# Altium PCB UCM PCB R1.PcbDoc (continued)
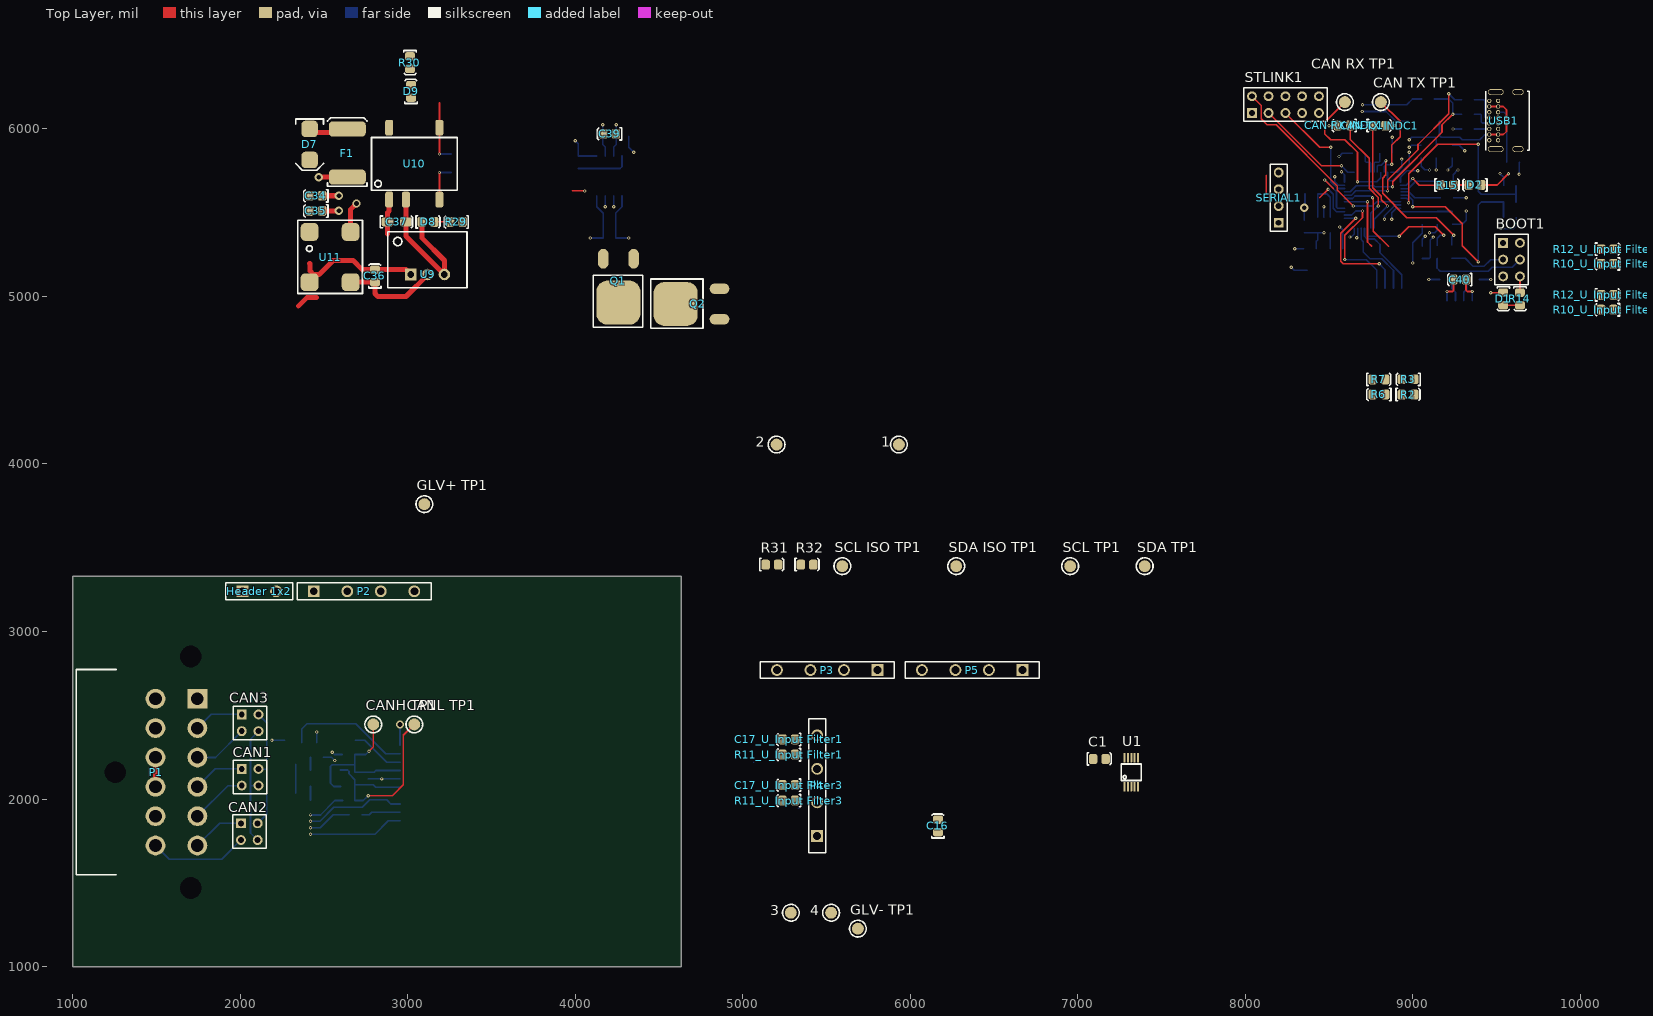
[diagram p0: Top Layer view]
## Footprints (in the part's own frame and the unit in brackets; to place one, negate y for a bottom-side part, rotate by r counter-clockwise, add the part's x,y. Pads: shape width x height; smd on the part's side, far side on the other; paste and mask are expansions set on the pad)
0805 [mil]
  rrect50% 51.18x59.06 smd: 1(-37.87,-1.03) 2(36.93,-1.03)
  silkscreen extent -73,-37 71,37, body extent -39,-26 39,26, height 29
"0805 LED" [mil]
  rrect50% 51.18x59.06 smd: A(-37.87,-1.03) K(36.93,-1.03)
  silkscreen extent -73,-37 71,37, body extent -43,-25 35,25, height 39
1206 [mm]
  rrect50% 1.8x1.4 smd: 1(-2.6,0) 2(0.2,0)
  silkscreen extent -3.7,-0.9 1.2,0.9, body extent -2.9,-0.9 0.5,0.9, height 1.85
2920 [mm]
  rrect50% 2.3x5.6 smd: 1(0,0) 2(7.3,0)
  silkscreen extent -1.4,-3 9,3, body extent -0.34,-2.81 7.64,2.81, height 1.14
"Abracon HC-49/US" [mm]
  rrect50% 5.6x2.1 smd: 1(-4.75,0) 2(4.75,0)
  silkscreen extent -5.85,-2.35 5.85,2.35, body extent -6.35,-2.35 6.35,2.35, height 4.06
"AD 8-SOIC" [mm]
  oval 0.7x1.8 smd: 1(-1.905,-3) 2(-0.635,-3) 3(0.635,-3) 4(1.905,-3) 5(1.905,3) 6(0.635,3) 7(-0.635,3) 8(-1.905,3)
  silkscreen extent -2.87,-2 3.05,2, body extent -2.5,-3.1 2.5,3.1, height 1.76
"AD 16-SOIC" [mil]
  rrect50% 28x85 smd: 1(-225,-192.02)
  oval 28x85 smd: 2(-175,-192.02) 3(-125,-192.02) 4(-75,-192.02) 5(-25,-192.02) 6(25,-192.02) 7(75,-192.02) 8(125,-192.02) 9(125,190) 10(75,189.96) 11(25,189.96) 12(-25,189.96) 13(-75,189.96) 14(-125,189.96) 15(-175,191.98) 16(-225,191.98)
  silkscreen extent -257,-138 155,138, body extent -256,-209 156,209, height 104
"AD SOIC-W 20" [mil]
  rrect50% 28x85 smd: 1(-225,-192.02)
  oval 28x85 smd: 2(-175,-192.02) 3(-125,-192.02) 4(-75,-192.02) 5(-25,-192.02) 6(25,-192.02) 7(75,-192.02) 8(125,-192.02) 9(175,-192.02) 10(225,-192.02) 11(225,192.02) 12(175,191.98) 13(125,191.98) 14(75,191.98) 15(25,191.98) 16(-25,191.98) 17(-75,191.98) 18(-125,191.98) 19(-175,191.98) 20(-225,191.98)
  silkscreen extent -257,-138 256,138, body extent -260,-210 260,210, height 105
DT13-12P [mm]
  round 3 hole 3.3 unplated: 0(-6.405,5.33) 0(11.135,-6.1) 0(28.675,5.33)
  rect 3x3 hole 1.9: 1(0,6.35)
  round 3 hole 1.9: 2(4.45,6.35) 3(8.9,6.35) 4(13.35,6.35) 5(17.8,6.35) 6(22.25,6.35) 7(22.25,0) 8(17.8,0) 9(13.35,0) 10(8.9,0) 11(4.45,0) 12(0,0)
  silkscreen extent -4.45,-12 26.7,-6, body extent -18.6,-34.7 40.6,9.5, height 37.63
"EPSON 2-SMD" [mm]
  rrect50% 1x1.8 smd: 1(-1.25,0) 2(1.25,0)
  silkscreen extent -2,-1.2 2,1.2, body extent -1.5,-1 1.5,1, height 1
"ON SOT-23" [mm] "NUP2105L"
  rrect50% 0.8x0.9 smd: 1(-0.95,-1) 2(0.95,-1) 3(0,1)
  silkscreen extent -1.75,-0.65 1.75,0.75, body extent -1.5,-1.28 1.5,1.27, height 1
"RECOM 3-SIP" [mm] "12 to 42 Vdc In, 9 Vdc Out"
  rect 1.75x1.75 hole 1: 1(0,0)
  round 1.75 hole 1: 2(2.54,0) 3(5.08,0)
  silkscreen extent -3.5,-2 8.5,6.5, body extent -3.26,-2.02 8.34,6.48, height 11.41
"RECOM 8-SMD (5 Pin)" [mm]
  rrect50% 1.2x2.4 smd: 1(-3.81,-5.4) 2(-1.27,-5.4) 4(3.81,-5.4) 5(3.81,5.5) 8(-3.81,5.5)
  silkscreen extent -6.5,-4 6.5,4, body extent -6.37,-5.55 6.38,5.55, height 9.2
"RICHTEK SOT-23-5" [mil]
  rrect50% 19x58 smd: 1(-39.37,-39.37) 2(-1.97,-39.37) 3(35.43,-39.37) 4(35.43,53.63) 5(-39.37,53.63)
  silkscreen extent -69,-31 64,46, body extent -62,-51 58,67, height 57
"SMB Diode" [mm]
  rrect50% 2.5x2.5 smd: A(-0.25,0) K(4.45,0)
  silkscreen extent -1.75,-2.1 6,2.1, body extent -0.69,-1.97 4.9,1.97, height 2.5
"SMD Test Point" [mm]
  round 1.8 smd: 1(0,0)
  silkscreen extent -1.27,-1.27 1.27,1.27
"STM 48-LQFP" [mm]
  rrect50% 0.3x1.2 smd mask+0.05: 1(-2.75,-4.25) 2(-2.25,-4.25) 3(-1.75,-4.25) 4(-1.25,-4.25) 5(-0.75,-4.25) 6(-0.25,-4.25) 7(0.25,-4.25) 8(0.75,-4.25) 9(1.25,-4.25) 10(1.75,-4.25) 11(2.25,-4.25) 12(2.75,-4.25) 25(2.75,4.25) 26(2.25,4.25) 27(1.75,4.25) 28(1.25,4.25) 29(0.75,4.25) 30(0.25,4.25) 31(-0.25,4.25) 32(-0.75,4.25) 33(-1.25,4.25) 34(-1.75,4.25) 35(-2.25,4.25) 36(-2.75,4.25)
  rrect50% 1.2x0.3 smd mask+0.05: 13(4.25,-2.75) 14(4.25,-2.25) 15(4.25,-1.75) 16(4.25,-1.25) 17(4.25,-0.75) 18(4.25,-0.25) 19(4.25,0.25) 20(4.25,0.75) 21(4.25,1.25) 22(4.25,1.75) 23(4.25,2.25) 24(4.25,2.75) 37(-4.25,2.75) 38(-4.25,2.25) 39(-4.25,1.75) 40(-4.25,1.25) 41(-4.25,0.75) 42(-4.25,0.25) 43(-4.25,-0.25) 44(-4.25,-0.75) 45(-4.25,-1.25) 46(-4.25,-1.75) 47(-4.25,-2.25) 48(-4.25,-2.75)
  silkscreen extent -3.5,-3.5 3.5,3.5, body extent -4.6,-4.6 4.6,4.6, height 1.6
"STM TO-252 MOSFET" [mm]
  rrect50% 6.7x6.7 smd: D(2.3,-6.65)
  oval 1.6x3 smd: G(4.6,0) S(0,0)
  silkscreen extent -1.5,-10.4 6,-2.5, body extent -1.08,-9.67 5.64,0.75, height 2.39
"TDK 4-PC Pad" [mm]
  rrect50% 1.35x0.9 smd: 1(0,0) 2(0,-2.5) 3(4.55,-2.5) 4(4.55,0)
  silkscreen extent -1,-3.2 5.5,0.7, body extent -0.02,-2.82 4.48,0.38, height 2.8
"TH 2.54mm Header 1x4" [mm]
  rect 1.5x1.5 hole 0.9: 1(0,0)
  round 1.5 hole 0.9: 2(2.54,0) 3(5.08,0) 4(7.62,0)
  silkscreen extent -1.27,-1.27 8.89,1.27
"TH 2.54mm Header 2x2" [mm]
  rect 1.5x1.5 hole 0.9: 1(0,0)
  round 1.5 hole 0.9: 2(0,2.54) 3(2.54,0) 4(2.54,2.54)
  silkscreen extent -1.27,-1.27 3.81,3.81
"TH 2.54mm Header 2x3" [mm]
  rect 1.5x1.5 hole 0.9: 1(0,0)
  round 1.5 hole 0.9: 2(0,2.54) 3(2.54,0) 4(2.54,2.54) 5(5.08,0) 6(5.08,2.54)
  silkscreen extent -1.27,-1.27 6.35,3.81
"TH 2.54mm Header 2x5" [mm]
  rect 1.5x1.5 hole 0.9: 1(0,0)
  round 1.5 hole 0.9: 2(0,2.54) 3(2.54,0) 4(2.54,2.54) 5(5.08,0) 6(5.08,2.54) 7(7.62,0) 8(7.62,2.54) 9(10.16,0) 10(10.16,2.54)
  silkscreen extent -1.27,-1.27 11.43,3.81
"TH 5.08mm Header 1x2" [mm]
  rect 1.8x1.8 hole 1.2: 1(0,0)
  round 1.8 hole 1.2: 2(5.08,0)
  silkscreen extent -2.54,-1.27 7.62,1.27
"TH 5.08mm Header 1x4" [mm]
  rect 1.8x1.8 hole 1.2: 1(0,0)
  round 1.5 hole 0.9: 2(5.08,0)
  round 1.8 hole 1.2: 2(5.08,0) 3(10.16,0) 4(15.24,0)
  silkscreen extent -2.54,-1.27 17.78,1.27
"TI 8-SOIC" [mm]
  oval 1.2x0.6 smd: 1(-9.677,2.54) 2(-9.677,1.27) 3(-9.677,0) 4(-9.677,-1.27) 5(-4.089,-1.27) 6(-4.089,0) 7(-4.089,1.27) 8(-4.089,2.54)
  silkscreen extent -9,-1.78 -4.75,3.18, body extent -9.96,-1.87 -3.76,3.14, height 1.76
"TI 10-VSSOP" [mm]
  rrect50% 1.45x0.3 smd mask+0.05: 1(-2.2,1) 2(-2.2,0.5) 3(-2.2,0) 4(-2.2,-0.5) 5(-2.2,-1) 6(2.2,-1) 7(2.2,-0.5) 8(2.2,0) 9(2.2,0.5) 10(2.2,1)
  silkscreen extent -1.25,-1.5 1.25,1.5, body extent -2.45,-1.5 2.45,1.5, height 1.12
USB4085-GF-A [mm]
  round 0.65 hole 0.4: A1(-2.848,4.025) A4(-1.998,4.025) A5(-1.148,4.025) A6(-0.298,4.025) A7(0.552,4.025) A8(1.402,4.025) A9(2.252,4.025) A12(3.102,4.025) B1(3.102,2.675) B4(2.252,2.675) B5(1.402,2.675) B6(0.552,2.675) B7(-0.298,2.675) B8(-1.148,2.675) B9(-1.998,2.675) B12(-2.848,2.675)
  oval 0.9x2.4 hole 0.6 slot 2.1 at 90 deg: P1(-4.198,3.045) P2(4.452,3.045)
  oval 0.9x1.7 hole 0.6 slot 1.4 at 90 deg: P3(4.452,-0.335) P4(-4.198,-0.335)
  silkscreen extent -4.35,-2.07 4.6,4.58, body extent -4.39,-4.56 4.64,4.61, height 3.46
"Wurth 4-PC Pad" [mm]
  rrect50% 2.7x2.7 smd: 1(7.62,6.22) 2(0,6.22) 3(0,0) 4(7.62,0)
  silkscreen extent -1.7,-1.8 9.4,8, body extent -1.19,-1.24 8.81,7.46, height 6.2

## Part data
1 2 3 4 "CAN RX TP1" "CAN TX TP1" "CANH TP1" "CANL TP1" "GLV+ TP1" "GLV- TP1" "SCL ISO TP1" "SCL TP1" "SDA ISO TP1" "SDA TP1": library part "SMD Test Point", Angle=0, Contact=NA, Flange=No, Part Number="SMD Test Point", Pitch=0mm, Positions=1, Row Spacing=0
BOOT1: library part "TH 2.54mm Header 2x3", Angle=0, Contact=NA, Flange=No, Part Number="TH 2.54mm Header 2x3", Pitch=2.54mm, Positions=6, Row Spacing=2.54mm
C1 C3 C4 C7 C9 C15 C16 "C17_U_Input Filter1" "C17_U_Input Filter2" "C17_U_Input Filter3" "C17_U_Input Filter4" C18 C22 C25 C26 C27 C31 C32 C39 C40: library part GCM21BR71E104KA37L, Manufacturer=muRata, Rated Voltage=25V, Tolerance=10%, Material=X7R, Part Number=GCM21BR71E104KA37L
C2 C5: library part GCM3195C2A103JA16D, Digikey Part Number=490-4978-2-ND, Manufacturer=muRata, Rated Voltage=100V, Tolerance=5%, Material=Ceramic, Part Number=GCM3195C2A103JA16D
C6 C8 C33 C34 C35 C36: library part GRM21BR6YA106KE43L, Digikey Part Number=490-10514-6-ND, Manufacturer=muRata, Rated Voltage=50V, Tolerance=10%, Material=X5R, Part Number=GRM21BR6YA106KE43L
C10 C19 C20 C29 C30: library part GCM21B5C1H220JA37L, Manufacturer=muRata, Rated Voltage=50V, Tolerance=5%, Material=C0G, Part Number=GCM21B5C1H220JA37L
C11 C12 C13 C14: library part GCM21B5C1H101JA37L, Manufacturer=muRata, Rated Voltage=50V, Tolerance=5%, Material=C0G, Part Number=GCM21B5C1H101JA37L
C21 C23 C24: library part AC0805KKX7R8BB105, Manufacturer=YAGEO, Rated Voltage=25V, Tolerance=10%, Material=X7R, Part Number=AC0805KKX7R8BB105
C28: library part GRM21BR61A226ME51L, Digikey Part Number=490-10511-1-ND, Manufacturer=muRata, Rated Voltage=10V, Tolerance=20%, Material=X5R, Part Number=GRM21BR61A226ME51L
C37 C38: library part CC1206MKX5R7BB226, Digikey Part Number=311-1997-2-ND, Manufacturer=YAGEO, Rated Voltage=16V, Tolerance=20%, Material=Ceramic, Part Number=CC1206MKX5R7BB226
CAN1 CAN2 CAN3: library part "TH 2.54mm Header 2x2", Angle=0, Contact=NA, Flange=No, Part Number="TH 2.54mm Header 2x2", Pitch=2.54mm, Positions=4, Row Spacing=2.54mm
"CAN RX INDC1" "CAN TX INDC1": library part SML-MN2BCTT86C, "LED BLUE CLEAR 2012 SMD", Digikey Part Number=846-1207-1-ND, Manufacturer="ROHM Semiconductor", Colour=Blue, Digikey Link=https://www.digikey.com/product-detail/en/rohm-semiconductor/SMLMN2BCTT86C/846-1207-1-ND/6057239, Part Number=SML-MN2BCTT86C
"CAN TERM R1" "CAN TERM R2": library part RC0805FR0756RL, Digikey Part Number=311-56.0CRCT-ND, Manufacturer=YAGEO, Rated Voltage=0.125W, Tolerance=0.01, Material=FR-07, Part Number=RC0805FR0756RL
D1 D2 D8 D9: library part SML-210LTT86, "Red LED Indication - Discrete 1.75V 0805 (2012 Metric)", Digikey Part Number=511-1286-1-ND, Manufacturer="ROHM Semiconductor", Colour=Red, Digikey Link=https://www.digikey.com/product-detail/en/rohm-semiconductor/SML-210LTT86/511-1286-1-ND/637099, Part Number=SML-210LTT86
D3 D5 D7 D10: "1.2V_F 600V 5A SMB", Digikey Part Number=1655-1530-2-ND, Manufacturer="SMC Diode Solutions", Digikey Link=https://www.digikey.com/product-detail/en/smc-diode-solutions/SD560BTR/1655-1530-2-ND/6022620, Part Number=SD560BTR
D4 D6: library part SML-211DTT86, "Orange LED Indication - Discrete 1.75V 0805 (2012 Metric)", Digikey Part Number=511-1291-1-ND, Manufacturer="ROHM Semiconductor", Colour=Orange, Digikey Link=https://www.digikey.com/product-detail/en/rohm-semiconductor/SML-211DTT86/511-1291-1-ND/637104, Part Number=SML-211DTT86
F1: "PTC RESET FUSE 60V 1A 292", Digikey Part Number=507-2070-1-ND, Manufacturer="Littelfuse Inc.", Digikey Link=https://www.digikey.com/product-detail/en/bel-fuse-inc/0ZCF0100AF2A/507-2070-1-ND/6210547, Part Number=0ZCF0100AF2A
"Header 1x2": library part "TH 5.08mm Header 1x2", Angle=0, Contact=NA, Flange=No, Part Number="TH 5.08mm Header 1x2", Pitch=2.54mm, Positions=2, Row Spacing=5.08mm
P1: Digikey Part Number=1734-1451-ND, Angle=90, Contact=Nickel, Digikey Link=https://www.digikey.com.au/product-detail/en/te-connectivity-deutsch-connectors/DT13-12PA/1734-1451-ND/7220123, Flange=Yes, Part Number=DT13-12P, Pitch=4.44mm, Positions=12, Row Spacing=6.35mm
P2 P3 P4 P5: library part "TH 5.08mm Header 1x4", Angle=0, Contact=NA, Flange=No, Part Number="TH 5.08mm Header 1x4", Pitch=2.54mm, Positions=4, Row Spacing=5.08mm
"PCB NTC1": library part NTCS0805E3103FLT, Digikey Part Number=BC2733CT-ND, Manufacturer="Vishay Beyschlag", Rated Voltage=210mW, Tolerance=0.01, Part Number=NTCS0805E3103FLT
Q1 Q2: "N-Channel 100V 60A (Tc) 125W (Tc) Surface Mount DPAK", Digikey Part Number=497-8806-2-ND, Manufacturer=STMicroelectronics, Digikey Link=https://www.digikey.com/product-detail/en/stmicroelectronics/STD70N10F4/497-8806-2-ND/2035599, LatestRevisionDate=29-May-2009, LatestRevisionNote="IPC-7351 Footprint Added.", PackageDescription="4-Pin SOT-343 Package 1.3 mm Pitch, 2.1 mm Lead Span", PackageReference=SOT-343, PackageVersion=Sep-2000, Part Number=STD70N10F4, Published=24-Mar-1999, Publisher="Altium Limited"
R1: library part RC0805FR070RL, Digikey Part Number=311-0.0CRCT-ND, Manufacturer=YAGEO, Rated Voltage=0.125W, Tolerance=0.01, Material=FR-07, Part Number=RC0805FR070RL
R2 R3 R4 R5 R6 R7 R8 R9 "R10_U_Input Filter1" "R10_U_Input Filter2" "R10_U_Input Filter3" "R10_U_Input Filter4" "R12_U_Input Filter1" "R12_U_Input Filter2" "R12_U_Input Filter3" "R12_U_Input Filter4" R13 R18 R21 R24 R27: library part RC0805FR0710KL, Digikey Part Number=311-10.0KCRCT-ND, Manufacturer=YAGEO, Rated Voltage=0.125W, Tolerance=0.01, Material=FR-07, Part Number=RC0805FR0710KL
"R11_U_Input Filter1" "R11_U_Input Filter2" "R11_U_Input Filter3" "R11_U_Input Filter4": library part RC0805FR071KL, Digikey Part Number=311-1.00KCRCT-ND, Manufacturer=YAGEO, Rated Voltage=0.125W, Tolerance=0.01, Material=FR-07, Part Number=RC0805FR071KL
R14 R15 R30: library part RC0805FR07510RL, Digikey Part Number=311-510CRCT-ND, Manufacturer=YAGEO, Rated Voltage=0.125W, Tolerance=0.01, Material=FR-07, Part Number=RC0805FR07510RL
R16 R17 R29: library part RC0805FR07680RL, Digikey Part Number=311-680CRCT-ND, Manufacturer=YAGEO, Rated Voltage=0.125W, Tolerance=0.01, Material=FR-07, Part Number=RC0805FR07680RL
R19 R20: library part RC0805FR075K1L, Digikey Part Number=311-5.10KCRCT-ND, Manufacturer=YAGEO, Rated Voltage=0.125W, Tolerance=0.01, Material=FR-07, Part Number=RC0805FR075K1L
R22: library part RC0805FR0710ML, Digikey Part Number=311-10.0MCRCT-ND, Manufacturer=YAGEO, Rated Voltage=0.125W, Tolerance=0.01, Material=FR-07, Part Number=RC0805FR0710ML
R23 R26: library part RC0805FR071K5L, Digikey Part Number=311-1.50KCRCT-ND, Manufacturer=YAGEO, Rated Voltage=0.125W, Tolerance=0.01, Material=FR-07, Part Number=RC0805FR071K5L
R25 R28: library part RC0805FR0720KL, Digikey Part Number=311-20.0KCRCT-ND, Manufacturer=YAGEO, Rated Voltage=0.125W, Tolerance=0.01, Material=FR-07, Part Number=RC0805FR0720KL
R31 R32 R33 R34: library part RC0805FR073K3L, Digikey Part Number=311-3.30KCRCT-ND, Manufacturer=YAGEO, Rated Voltage=0.125W, Tolerance=0.01, Material=FR-07, Part Number=RC0805FR073K3L
R35: library part RC0805FR071K5L, Manufacturer=YAGEO, Rated Voltage=0.125W, Tolerance=0.01, Material=FR-07, Part Number=RC0805FR071K5L
R36 R37: library part RC0805FR0720RL, Manufacturer=YAGEO, Rated Voltage=0.125W, Tolerance=0.01, Material=FR-07, Part Number=RC0805FR0720RL
R38 R39: library part RC0805FR075K1L, Manufacturer=YAGEO, Rated Voltage=0.125W, Tolerance=0.01, Material=FR-07, Part Number=RC0805FR075K1L
SERIAL1: library part "TH 2.54mm Header 1x4", Angle=0, Contact=NA, Flange=No, Part Number="TH 2.54mm Header 1x4", Pitch=2.54mm, Positions=4, Row Spacing=2.54mm
STLINK1: library part "TH 2.54mm Header 2x5", Angle=0, Contact=NA, Flange=No, Part Number="TH 2.54mm Header 2x5", Pitch=2.54mm, Positions=10, Row Spacing=2.54mm
U1: "16 Bit Analog to Digital Converter 2, 4 Input 1 Sigma-Delta 10-VSSOP", Digikey Part Number=296-38849-1-ND, Manufacturer="Texas Instruments", Digikey Link=https://www.digikey.com/product-detail/en/texas-instruments/ADS1115IDGSR/296-38849-1-ND/5142969, Part Number=ADS1115
U2: "Isolated CAN Transceiver", Digikey Part Number=ADM3053BRWZ-ND, Manufacturer="Analogue Devices", Digikey Link=https://www.digikey.com/product-detail/en/analog-devices-inc/ADM3053BRWZ/ADM3053BRWZ-ND/2709332, Part Number=ADM3053
U3: "100µH @ 100kHz 2 Line Common Mode Choke Surface Mount 5.8 kOhms @ 10MHz 150mA DCR 2Ohm", Digikey Part Number=495-4598-1-ND, Inductance="100µH @ 100kHz", Manufacturer="EPCOS (TDK)", Rated Current=150mA, Digikey Link=https://www.digikey.com/product-detail/en/epcos-tdk/B82787C0104H002/495-4598-2-ND/3680998, Impedence="5.8 kOhms @ 10MHz", Material=Wirewound, Part Number=B82787C0104H002
U4: "Dual Line CAN Bus Protector", Digikey Part Number=NUP2105LT1GOSCT-ND, Manufacturer="ON Semiconductor", Digikey Link=https://www.digikey.com/product-detail/en/on-semiconductor/NUP2105LT1G/NUP2105LT1GOSCT-ND/1485001, Part Number=NUP2105L
U5: "General Purpose Digital Isolator 2500Vrms 4 Channel 1Mbps 25kV/µs CMTI 16-SOIC (0.295\", 7.50mm Width)", Digikey Part Number=ADUM1400WSRWZ-ND, Manufacturer="Analog Devices", Digikey Link=https://www.digikey.com/product-detail/en/analog-devices-inc/ADUM1400WSRWZ/ADUM1400WSRWZ-ND/1873713, Part Number=ADuM1400
U6: "ARM® Cortex®-M3 STM32F1 Microcontroller IC 32-Bit 72MHz 64KB (64K x 8) FLASH", Digikey Part Number=497-6063-ND, Manufacturer=STMicroelectronics, Digikey Link=https://www.digikey.com/product-detail/en/stmicroelectronics/STM32F103C8T6/497-6063-ND/1646338, Part Number=STM32F103C8T6
U7: "IC REG LINEAR 3.3V 300MA SOT23-5", Digikey Part Number=1028-1014-1-ND, Manufacturer=Richtek, Digikey Link=https://www.digikey.com/products/en?keywords=1028-1014-1-ND, Part Number=RT9193-33GB
U8: "4A Gate Driver Magnetic Coupling 2500Vrms 2 Channel 8-SOIC", Digikey Part Number=ADUM3221ARZ-ND, Manufacturer="Analog Devices", Digikey Link=https://www.digikey.com/product-detail/en/analog-devices-inc/ADUM3221ARZ/ADUM3221ARZ-ND/2616333, Part Number=ADUM3221ARZ
U9: "CONV DC/DC 1A 5V OUT SIP VERT", Digikey Part Number=945-1395-5-ND, Manufacturer=Recom, Digikey Link=https://www.digikey.com.au/product-detail/en/recom-power/R-78C5.0-1.0/945-1395-5-ND/2652148, Isolation=Non-Isolated, Part Number=R-78C5.0-1.0
U10: "Isolated Module DC DC Converter 1 Output 3.3V 606mA 4.5V - 5.5V Input", Digikey Part Number=945-1764-5-ND, Input Voltage=4.5V-5.5V, Manufacturer=Recom, Output Power=2W, Output Voltage=5V, Digikey Link=https://www.digikey.com/product-detail/en/recom-power/R2S-0505-HP/945-1764-5-ND/2302761, Efficiency=0.85, Isolation=Isolated, Part Number=R2S-0505/HP
U11: "120µH @ 100kHz 2 Line Common Mode Choke Surface Mount 460 Ohms @ 30MHz 2.5A DCR 25mOhm", Digikey Part Number=732-1489-1-ND, Inductance="120uH @ 100kHz", Manufacturer="Wurth Electronics Inc", Rated Current=2.5A, Digikey Link=https://www.digikey.com/product-detail/en/w-rth-elektronik/744272121/732-1489-1-ND/1639501, Impedence="460 Ohms @ 30MHz", Material=Wirewound, Part Number=744272121
U12: "I2C Digital Isolator (Multichannel)", Digikey Part Number=296-34871-1-ND, Manufacturer="Texas Instruments", Digikey Link=https://www.digikey.com/product-detail/en/texas-instruments/ISO1540DR/296-34871-1-ND/3587214, Part Number=ISO1540DR
USB1: "USB - C (Type - C) USB 2.0 Receptacle Connector 16 Position Through Hole, Right Angle", Digikey Part Number=2073-USB4085-GF-ACT-ND, Angle=90, Digikey Link=https://www.digikey.ee/product-detail/en/gct/USB4085-GF-A/2073-USB4085-GF-ACT-ND/9859733, Part Number=USB4085-GF-A
X1: library part ABLS-8.000MHZ-B4-T, Digikey Part Number=535-10212-2-ND, Load Capacitance=18pF, Manufacturer="Abracon LLC", Digikey Link=https://www.digikey.com/product-detail/en/abracon-llc/ABLS-8.000MHZ-B4-T/535-10212-2-ND/2184155, ESR=80R, Part Number=ABLS-8.000MHZ-B4-T
X2: library part "FC-135 32.7680KA-A5", Digikey Part Number=SER4103TR-ND, Load Capacitance=12.5pF, Manufacturer=EPSON, Digikey Link=https://www.digikey.com/product-detail/en/epson/FC-135-32.7680KA-A5/SER4103TR-ND/5259895, ESR=70k, Part Number="FC-135 32.7680KA-A5"

## Via types
v1: diameter 19.68, hole 9.84, Top Layer to Bottom Layer, 94 vias
v2: diameter 50, hole 27.99, Top Layer to Bottom Layer, 3 vias
v3: diameter 50, hole 28, Top Layer to Bottom Layer, 3 vias

## Nets (pads, with @x,y where several pads share a name; then routed paths per layer and width w, separated by ;. In a path a pad name is that pad's centre, name@x,y a point inside that pad or via, vN(x,y) a via of type N, cw(c..) or ccw(c..) an arc to the next point about the centre after c; other vN are vias at no path point)
0V: 3.1 "C17_U_Input Filter1.1" "C17_U_Input Filter2.1" "C17_U_Input Filter3.1" "C17_U_Input Filter4.1" "R12_U_Input Filter1.1" "R12_U_Input Filter2.1" "R12_U_Input Filter3.1" "R12_U_Input Filter4.1" C1.1 C15.1 C32.1 C33.1 C36.1 C37.1 C39.1 R3.1 R5.1 R7.1 R9.1 R29.1 U1.3 U5.2 U5.8 U8.5 U9.2 U10.1 U11.3 U12.5 | length 1224.8
  Top Layer w10: 3982.87,5630 4058.02,5630 v1(4058.2,5629.82)
  Top Layer w29.68: U11.3 C36.1 2805,5017.39 2822.39,5000 2990,5000 3120,5130 U9.2 ; 2879.76,5371.26 C37.1 2879.76,5499.76 2890,5510 U10.1
  Bottom Layer w10: U8.5 4280,5535 4242.87,5497.87 C33.1 C32.1 v1(4320,5348.97) ; 5066.1,2220 5067.13,2218.97 ; 5333.18,1943.97 5334.21,1945
"0V (ISO)": 4.1 "PCB NTC1.1" BOOT1.5 BOOT1.6 C2.1 C3.1 C8.1 C9.1 C16.1 C18.1 C19.1 C20.1 C21.1 C22.1 C23.1 C24.1 C25.1 C26.1 C27.1 C28.1 C29.1 C30.1 C31.1 C38.1 C40.1 R14.1 R16.1 R17.1 R24.1 R27.1 R30.1 R38.2 R39.2 SERIAL1.4 STLINK1.1 U2.1 U2.3 U2.7 U2.9 U2.10 U5.9 U5.15 U6.8 U6.23 U6.35 U6.47 U7.2 U8.4 U10.4 U12.4 USB1.A1 USB1.A12 USB1.B1 USB1.B12 USB1.P1 | length 3358.8
  Top Layer w10: U10.4 v1(3190,5739.73) v1@3190,5740.2 ; C40.1 9317.87,5037.13 9325,5030 v1(9355,5030) ; R14.1 BOOT1.6
  Bottom Layer w7.99: v1(8980,5890) 8992.87,5902.87 C27.1 ; v1(8980,5935) 8995,5950 9136.35,5950 9141.03,5945.32 C26.1 ; v1(9100,5380) 9131.03,5380 9145.49,5394.46 C18.1 ; 9235.49,5432.04 9297.04,5432.04 9320,5455 v1(9320,5510) ; C25.1 9277.13,5902.87 9310,5870 v1(9310,5869.93) ; C20.1 v1(9320,5588.97) ; C19.1 9242.87,5727.87 v1(9270,5755) ; v1(9520.94,5733.39) 9542.87,5711.45 C30.1 ; v1(9525,5405) 9600,5405 9616.71,5421.71 C29.1
  Bottom Layer w10: v1(3190,5739.73) C38.1 ; C31.1 4268.31,5763.31 4280,5775 U8.4 ; R27.1 4319.8,5890.2 v1(4350,5860) ; v1(8275,5175) 8293.76,5156.24 8370.2,5156.24 ; v1(8295,5285) C23.1 ; C22.1 v3(8352.84,5530) 8357.44,5534.6 C21.1 ; U7.2 8469.74,5473.27 8469.74,5534.54 v1(8469.84,5534.64) ; v1(8534.77,5715.1) 8534.84,5715.02 8534.84,5685.91 8557.17,5663.58 U6.35 ; v1(8565,5415) 8581.84,5398.16 C28.1 ; R17.1 8693.97,6018.97 v1(8695,6020) 8696.03,6021.03 R16.1 ; v1(8665,5350) 8671.42,5356.42 U6.23 ; v1(8831.85,5460) 8831.85,5482.31 8895.02,5545.47 U6.8 ; U6.47 8849.49,5741.42 8849.49,5700.51 8860,5690 8880.46,5690 8980,5789.54 8980,5860 v1(8979.93,5860.07) ; C24.1 9056.03,5341.03 v1(9075,5360) ; v1(9240,6000) 9240.2,5999.8 R38.2 ; U12.4 v1(9355,5030) ; v1(9635,5730) 9635.96,5730.96 9635.96,5800.07 R39.2
"3.3V (ISO)": BOOT1.1 BOOT1.2 C22.2 C23.2 C24.2 C25.2 C26.2 C27.2 C40.2 D1.A D2.A R33.2 R34.2 SERIAL1.1 STLINK1.7 STLINK1.8 U6.1 U6.9 U6.24 U6.36 U6.48 U7.5 U12.1 | length 1739.8
  Top Layer w10: v1(9205,5030) 9237.21,5030 9243.07,5035.86 C40.2 ; D2.A 9504.5,5665.77 v1(9571.18,5732.46) ; v1(9465,5022.87) D1.A
  Bottom Layer w7.99: C27.2 9050,5827.04 9050,5775.83 9070.83,5755 v1(9100,5755) ; v1(9140,5755) 9140,5827.04 C26.2 ; v1(9210,5755) 9210,5755.25 9236.03,5781.28 C25.2
  Bottom Layer w10: C22.2 U7.5 ; C23.2 8425,5330 8432.24,5337.24 U7.5 ; v1(8470,5380) 8432.41,5380 U7.5 ; v1(8575,5745) 8592.68,5727.32 U6.36 ; v1(8625,5355) 8633.92,5355 8651.73,5372.81 U6.24 ; U6.48 8907.32,5742.32 8935,5770 v1(8935,5820) ; v1(8875,5460) 8875,5500 8900.79,5525.79 U6.9 ; U6.1 8927.32,5711.41 8965.91,5750 v1(9030,5750) ; C24.2 9099.14,5226.17 9105,5232.02 9105,5337.08 v1(9122.28,5354.36) ; v1(9095,5101.03) R34.2 ; U12.1 v1(9205,5030) ; R33.2 v1(9465,5101.03)
5kW: P1.8
5V: 1.1 "R10_U_Input Filter1.2" "R10_U_Input Filter2.2" "R10_U_Input Filter3.2" "R10_U_Input Filter4.2" C1.2 C15.2 C32.2 C33.2 C37.2 C39.2 D8.A P3.1 P3.2 R2.2 R4.2 R6.2 R8.2 R31.2 R32.2 U1.1 U1.8 U5.1 U8.8 U9.3 U10.2 U12.8 | length 1261.3
  Top Layer w29.68: U10.2 C37.2 2990,5360 3220,5130 3220,5215 3085,5350 D8.A
  Bottom Layer w10: v1(4090,5348.97) C32.2 C33.2 4168.07,5496.93 4130,5535 U8.8
"5V (ISO)": 2.1 C2.2 C3.2 C8.2 C9.2 C16.2 C21.2 C31.2 C38.2 D9.A D10.K R13.2 R19.2 R20.2 R35.2 U2.6 U2.8 U5.10 U5.16 U7.1 U7.3 U8.1 U10.5 | length 2035
  Top Layer w10: v1(3190,5849.96) U10.5 3190,6157.13
  Bottom Layer w7.99: v1(8560,5835) 8578.97,5853.97 R19.2 ; R20.2 v1(8876.93,5950) ; v1(9000,5200) 9000,5320 9056.03,5376.03 R13.2
  Bottom Layer w10: v1(3190,5849.96) C38.2 ; v1(4000,5930) 4018.97,5911.03 C31.2 U8.1 ; U7.1 C21.2 8488.97,5611.03 8507.04,5592.96 U7.3 ; v1(8698.29,6104.23) 8840.77,6104.23 8898.89,6046.11 D10.K ; v1(8700,6145) 8965,6145 8998.97,6178.97 R35.2
12V/24V: C36.2 U9.1 U11.2 | length 856.7
  Top Layer w29.68: 2347.27,4941.89 2398.11,4992.73 2455,4992.73 ; 2415,5197.61 2417.12,5195.49 2417.12,5152.53 2439.31,5130.34 2470.69,5130.34 2555.35,5215 2675,5215 2730.2,5159.8 C36.2 2991.22,5159.8 U9.1
BOOT0: BOOT1.3 R21.1 | length 342.1
  Bottom Layer w10: R21.1 9312.87,5227.13 9360,5180 9425,5180 9465,5220 BOOT1.3
BOOT1: BOOT1.4 R18.2 | length 588.9
  Bottom Layer w10: R18.2 9145,5225.13 9145,5170 9165,5150 9450,5150 9475,5175 9595,5175 BOOT1.4
CAN1H: CAN1.3 P1.5 | length 340.4
  Bottom Layer w10: P1.5 1927.56,2080 CAN1.3
CAN1L: CAN1.1 P1.4 | length 309.2
  Bottom Layer w10: P1.4 1852.36,2180 CAN1.1
CAN2H: CAN2.3 P1.7 | length 591.6
  Bottom Layer w10: P1.7 1577.56,1640 1890,1640 CAN2.3
CAN2L: CAN2.1 P1.6 | length 314.8
  Bottom Layer w10: P1.6 1877.76,1855 CAN2.1
CAN3H: CAN3.3 P1.3 | length 329.9
  Bottom Layer w10: P1.3 1852.99,2247.99 CAN3.3
CAN3L: CAN3.1 P1.2 | length 298.7
  Bottom Layer w10: P1.2 1826.97,2505 CAN3.1
"CAN RX INDC": "CAN RX INDC1.A" U6.19 | length 701.1
  Top Layer w10: 8627.87,6021.03 8627.87,5937.13 8740,5825 8740,5645.51 8795,5590.51 v1@8795,5540
  Bottom Layer w7.99: U6.19 8750.16,5495.31 v1(8794.84,5540)
"CAN TX INDC": "CAN TX INDC1.A" U6.18 | length 680.8
  Top Layer w10: 8762.13,6018.97 8762.13,5648.84 8813,5597.96 8813,5577 v1@8850,5540
  Bottom Layer w7.99: U6.18 8769.84,5460 v1(8849.84,5540)
CANH: "CAN TERM R1.2" C12.2 CAN1.4 CAN2.4 CAN3.4 U3.1 | length 815.6
  Bottom Layer w10: CAN2.4 2062.6,1797.4 2062.6,2080 ; CAN1.4 2062.6,2080 ; CAN3.4 2062.6,2357.6 2062.6,2080 ; C12.2 U3.1
CANL: "CAN TERM R2.1" C11.2 CAN1.2 CAN2.2 CAN3.2 U3.2 | length 820.1
  Bottom Layer w10: CAN2.2 2160,1910 2160,2177.5 ; CAN1.2 2112.5,2177.5 2160,2177.5 ; CAN3.2 2160,2455 2160,2177.5 ; U3.2 C11.2
CANS: C4.1 C5.1 C6.1 C7.1 C10.1 C11.1 C12.1 C13.1 C14.1 P1.1 R1.1 U2.11 U2.13 U2.16 U2.20 U4.3 | length 2256.4
  Bottom Layer w7.99: v1(2845,2120) U2.16
  Bottom Layer w10: v1(2190,2350) C5.1@2267.64,2350 ; v1(2420,1790) 2805,1790 2885,1870 U2.11 ; v1(2420,1828.33) 2478.33,1828.33 2556.03,1906.03 C7.1 ; v1(2420,1866.67) 2476.67,1866.67 2560,1950 2730,1950 2774.8,1994.8 C6.1 2875.2,1994.8 2900,1970 U2.13 ; v1(2420,1905) 2480,1905 2565.78,1990.78 C13.1@2611.47,1990.78 ; C4.1 v1(2457.13,2400) ; C11.1 2546.03,2248.97 v1(2565,2230) ; v1(2550,2280) 2563.97,2266.03 C14.1 ; U4.3@2764.37,2120.34 2764.71,2120 v1(2845,2120) ; U2.20 v3(2955,2445)
"Digital 1": P5.1 R2.1 R3.2 U5.3
"Digital 2": P5.2 R4.1 R5.2 U5.4
"Digital 3": P5.3 R6.1 R7.2 U5.5
"Digital 4": P5.4 R8.1 R9.2 U5.6
"Driver 1": D3.A D4.K P2.2 Q1.D
"Driver 2": D5.A D6.K P2.4 Q2.D
GLV+: "GLV+ TP1.1" "Header 1x2.1" D3.K D5.K F1.1 P1.12 P2.1 P2.3 R23.2 R26.2 | length 170
  Top Layer w30.08: v2(2470,5712.44) F1.1
GLV-: Q1.S Q2.S R25.1 R28.1
GLV-: "GLV- TP1.1" "Header 1x2.2" C34.1 C35.1 P1.11 U11.4 | length 384.9
  Top Layer w30.08: C35.1 v2(2590,5511.03) ; C34.1 v2(2590,5601.03) ; U11.4 2659.88,5519.88 v3(2695,5555)
"Green In": P1.9 P1.10 | length 175.2
  Top Layer w30.08: P1.9 P1.10
NetC4_2: C4.2 C5.2 C6.2 C7.2 U2.12 U2.19 | length 993.7
  Bottom Layer w7.99: C7.2 2771.03,1906.03 2785,1920 C6.2 U2.12
  Bottom Layer w10: C5.2 2367.87,2417.87 2400,2450 2690,2450 2870,2270 U2.19
NetC10_2: "CAN TERM R1.1" "CAN TERM R2.2" C10.2 | length 172.1
  Bottom Layer w10: 2332.87,2033.97 C10.2 2332.87,2206.03
NetC13_2: "CANL TP1.1" C13.2 U2.15 U3.3 U4.1 | length 1234.4
  Top Layer w10: v1(2765,2020) 2910,2020 2975,2085 2975,2380 3040,2445
  Bottom Layer w10: U3.3 2641.57,2173.43 2650,2165 2650,2150 2685,2115 U4.1 ; v1(2765,2020) 2735.78,1990.78 C13.2 U4.1 ; U2.15 2810,2070 2795,2085 U4.1
NetC14_2: "CANH TP1.1" C14.2 U2.17 U3.4 U4.2 | length 961.1
  Top Layer w10: v1(2770,2285) 2795,2310 2795,2445
  Bottom Layer w10: U3.4 2560,2075 2540,2095 2540,2195 2550,2205 2685,2205 ; v1(2770,2285) 2751.03,2266.03 C14.2 2685,2205 ; U2.17 2810,2170 2800,2160 2685.2,2160 U4.2 2685,2205
"NetC17_U_Input Filter1_2": "C17_U_Input Filter1.2" "R10_U_Input Filter1.1" "R11_U_Input Filter1.2" "R12_U_Input Filter1.2" U1.7
"NetC17_U_Input Filter2_2": "C17_U_Input Filter2.2" "R10_U_Input Filter2.1" "R11_U_Input Filter2.2" "R12_U_Input Filter2.2" U1.6
"NetC17_U_Input Filter3_2": "C17_U_Input Filter3.2" "R10_U_Input Filter3.1" "R11_U_Input Filter3.2" "R12_U_Input Filter3.2" U1.5
"NetC17_U_Input Filter4_2": "C17_U_Input Filter4.2" "R10_U_Input Filter4.1" "R11_U_Input Filter4.2" "R12_U_Input Filter4.2" U1.4
NetC28_2: C28.2 U7.4 | length 96.4
  Bottom Layer w10: C28.2 U7.4
NetC34_2: C34.2 C35.2 D7.K U11.1
"NetCAN RX INDC1_K": "CAN RX INDC1.K" R17.2 | length 107
  Top Layer w10: v1(8500,6018.97) 8551.01,6018.97 8553.07,6021.03
  Bottom Layer w10: v1(8500,6018.97) R17.2
"NetCAN RX TP1_1": "CAN RX TP1.1" U2.4 U6.45 | length 837.8
  Top Layer w10: 8595,6160 8475.16,6040.16 8475.16,5969.84 8510,5935 8595,5935 8670,5860 v1@8670,5685
  Bottom Layer w7.99: v1(8669.84,5685) 8785.34,5685 8809.21,5708.87 U6.45
"NetCAN TX INDC1_K": "CAN TX INDC1.K" R16.2 | length 111.8
  Top Layer w10: 8836.93,6018.97 8890.32,6018.97 v1(8892.38,6021.03)
  Bottom Layer w10: R16.2 v1(8892.38,6021.03)
"NetCAN TX TP1_1": "CAN TX TP1.1" U2.5 U6.46 | length 522.6
  Top Layer w10: 8810,6160 8925,6045 8925,5953.81 8875,5903.81 v1@8875,5790
  Bottom Layer w7.99: U6.46 8828.9,5774.06 8841,5786.16 8871,5786.16 v1(8874.84,5790)
NetD1_K: D1.K R14.2 | length 100
  Top Layer w10: D1.K R14.2
NetD2_K: D2.K R15.2 | length 91.9
  Top Layer w10: R15.2 9243.12,5665.15 9333.3,5665.15 D2.K
NetD4_A: D4.A R23.1
NetD6_A: D6.A R26.1
NetD7_A: D7.A F1.2 | length 225
  Top Layer w29.68: D7.A@2415,5979.84 F1.2@2640,5979.84
NetD8_K: D8.K R29.2 | length 93.3
  Top Layer w10: D8.K R29.2
NetD9_K: D9.K R30.2 | length 106.1
  Top Layer w10: 8125,5616.93 8125,5723.07
NetD10_A: D10.A USB1.A4 USB1.A9 USB1.B4 USB1.B9 | length 758.4
  Top Layer w10: USB1.A4 USB1.B9 9541.34,5966.34 9560,5985 9560,6115 9541.34,6133.66 USB1.B4 USB1.A9
  Bottom Layer w10: D10.A 9160,5960 9170,5950 9280,5950 9295,5935 9400,5935 9428.75,5963.74 9453.94,5963.74 USB1.A4
NetQ1_G: Q1.G R25.2 U8.7 | length 66.9
  Bottom Layer w10: v1(4180,5535) U8.7
NetQ2_G: Q2.G R28.2 U8.6 | length 66.9
  Bottom Layer w10: v1(4230,5535) U8.6
NetR1_2: R1.2 U2.18 | length 322.3
  Bottom Layer w10: R1.2 2743.97,2351.03 2875,2220 U2.18
NetR18_1: R18.1 U6.20 | length 633.8
  Top Layer w7.99: v1(8920,5360) 8975,5415 9135,5415 v1(9185,5365)
  Bottom Layer w7.99: U6.20 8730.47,5364.68 8735.15,5360 v1(8920,5360) ; R18.1@9146.03,5302.87 9146.03,5347.54 9163.49,5365 v1(9185,5365)
NetR19_1: "SCL TP1.1" R19.1 R31.1 U6.42 U12.6 | length 138.6
  Bottom Layer w7.99: R19.1 8717.87,5804.68 8722.55,5800 8745.63,5800 8750.31,5795.32 U6.42@8750.31,5742.32
NetR20_1: "SDA TP1.1" R20.1 R32.1 U6.43 U12.7 | length 140.5
  Bottom Layer w7.99: U6.43 8769.84,5795.32 8774.52,5800 8797.45,5800 8802.13,5804.68 R20.1
NetR21_2: R21.2 U6.44 | length 893.8
  Top Layer w7.99: v1(8840,5810) 8840,5725.43 8820,5705.43 8820,5615 8965,5470 9140,5470 v1(9245,5365)
  Bottom Layer w7.99: U6.44 8789.53,5777.93 8794.21,5782.61 8812.61,5782.61 v1(8840,5810) ; R21.2@9233.97,5306.93 9233.97,5353.97 v1(9245,5365)
NetR24_2: R24.2 U6.27 U8.2 | length 465.9
  Top Layer w10: 8445,5590.16 v1(8494.78,5639.93)
  Bottom Layer w10: v1(4165,6025) R24.2 4165,5907.5 4180,5892.5 U8.2 ; v1(8494.78,5639.93) 8494.91,5639.93 8525.16,5609.69 8525.16,5525.88 8544.93,5506.1 U6.27
NetR27_2: R27.2 U6.28 U8.3 | length 506.5
  Top Layer w10: v1(8475,5695) 8475,5694.84 8525,5644.84
  Bottom Layer w10: U8.3 4230,5892.5 4245,5907.5 R27.2 v1(4245,6025) ; v1(8475,5695) 8475,5694.84 8544.84,5625 8544.84,5531.65 8550.7,5525.79 U6.28
NetR33_1: "SCL ISO TP1.1" R33.1 U1.10 U12.3 | length 133.1
  Bottom Layer w10: U12.3 9305,5025 9322.13,5042.13 R33.1
NetR34_1: "SDA ISO TP1.1" R34.1 U1.9 U12.2 | length 134.4
  Bottom Layer w10: R34.1 9234.78,5045.22 9255,5025 U12.2
NetR36_1: R36.1 USB1.A6 USB1.B6 | length 134.4
  Bottom Layer w10: R36.1 9404.14,6086.88 9410,6081.03 9410,6040.86 9415.86,6035 9454.81,6035 USB1.A6
NetR37_1: R37.1 USB1.A7 USB1.B7 | length 189
  Bottom Layer w10: R37.1 9424.14,6173.97 9430,6168.11 9430,6072.59 9435.86,6066.73 USB1.A7
NetR38_1: R38.1 USB1.A5 | length 88.7
  Bottom Layer w10: R38.1 USB1.A5
NetR39_1: R39.1 USB1.B5 | length 341.5
  Bottom Layer w10: USB1.B5 9509.87,6100.01 9544.99,6100.01 9562.13,6082.87 R39.1
NetU5_11: U5.11 U6.26 | length 774.1
  Top Layer w10: v1(8595,5220) 8595,5365 8700.16,5470.16 v1(8700.16,5510)
  Bottom Layer w10: U6.26 8636.42,5486.42 8660,5510 v1(8700.16,5510) ; v1(8595,5220) 8722.4,5220 8785,5157.4 U5.11
NetU5_12: U5.12 U6.25 | length 757
  Top Layer w10: v1(8660,5466.73) 8570.16,5376.89 8570.16,5209.71 8584.87,5195 v1(8800,5195)
  Bottom Layer w10: U6.25 v1(8660,5466.73) ; v1(8800,5195) 8835,5160 U5.12
NetU5_13: U5.13 U6.22 | length 478.7
  Bottom Layer w10: U6.22 8691.97,5406.81 8691.97,5340.29 8705,5327.26 8705,5265 8745,5225 8814.54,5225 8885,5154.54 U5.13
NetU5_14: U5.14 U6.21 | length 476.2
  Bottom Layer w10: U6.21 8711.69,5406.77 8711.69,5359.43 8728.72,5342.4 8772.56,5342.4 8805,5309.96 8805,5260 8935,5130 U5.14
NRST: STLINK1.2 U6.7 | length 1230.3
  Top Layer w10: STLINK1.2 8095,6140 8095,6060 8130,6025 8184.54,6025 8550,5659.54 8550,5635 v1(8645,5540)
  Bottom Layer w10: v1(8645,5540) 8759.71,5540 8784.87,5565.16 U6.7
PC13: R15.1 U6.2 | length 273.5
  Top Layer w10: v1@8999.94,5703.65 9039.05,5664.54 R15.1
  Bottom Layer w10: U6.2 8960.54,5663.58 8999.78,5702.83 v1(8999.78,5703.65)
"PCB TEMP": "PCB NTC1.2" C18.2 R13.1 U6.10 | length 308.3
  Bottom Layer w10: U6.10@8927.48,5506.1 9059.21,5506.1 9059.58,5506.47 9145.12,5506.47 C18.2 9235.49,5506.84
"Sensor 1": "R11_U_Input Filter4.1" P4.1
"Sensor 2": "R11_U_Input Filter3.1" P4.2
"Sensor 3": "R11_U_Input Filter2.1" P4.3
"Sensor 4": "R11_U_Input Filter1.1" P4.4
SWCLK: STLINK1.3 U6.37 | length 657.8
  Top Layer w10: STLINK1.3 8455.07,5779.93 v1(8575.07,5779.93)
  Bottom Layer w10: v1(8575.07,5779.93) 8575.2,5779.93 8612.81,5742.32 U6.37
SWDIO: STLINK1.5 U6.34 | length 659.5
  Top Layer w10: STLINK1.5 8445,5890 v1(8510,5890)
  Bottom Layer w10: v1(8510,5890) 8509.92,5889.92 8509.92,5685.37 8551.4,5643.9 U6.34
"UART RX": SERIAL1.3 U6.31 | length 507.2
  Top Layer w10: v1(8760.38,5590) 8760.38,5589.62 8765,5585 8765,5390 8855,5300
  Bottom Layer w10: U6.31 8640.43,5584.84 8655.43,5599.84 8750.16,5599.84 8760,5590 v1(8760.38,5590)
"UART TX": SERIAL1.2 U6.30 | length 412.7
  Top Layer w10: v1(8730,5565) 8730,5325 8755,5300
  Bottom Layer w10: U6.30 8729.84,5565.16 v1(8730,5565)
USBDM: R37.2 U6.32 | length 1091.9
  Top Layer w10: v1@8850,5630 8850,5695 9031.57,5876.57 9031.57,5906.53 9215,6089.96 v1(9215,6210)
  Bottom Layer w10: U6.32 8634.66,5604.53 8660.13,5630 v1(8849.84,5630) ; v1(9215,6210) 9251.03,6173.97 R37.2
USBDP: R35.1 R36.2 U6.33 | length 1130.4
  Top Layer w10: v1(8879.84,5655.16) 8879.84,5659.84 8880,5660 8880,5685 9175,5980 9175,6024.5 9238.8,6088.3 v1(9239.84,6088.3)
  Bottom Layer w10: U6.33 8627.54,5624.21 8663.33,5660 8767.85,5660 8772.7,5655.16 v1(8879.84,5655.16) ; R35.1 9216.03,6178.97 9239.84,6155.16 v1(9239.84,6088.3) ; v1@9238.8,6088.3 9240.21,6086.88 R36.2
XTALA: C29.2 R22.2 U6.5 X1.1 | length 1318.1
  Top Layer w7.99: v1@9000,5535 9195,5535 9295,5435 9295,5302.15 v1(9391.08,5206.07)
  Bottom Layer w7.99: U6.5 8970.32,5604.53 8999.84,5575 v1(8999.84,5535) ; v1(9391.08,5206.07) X1.1
  Bottom Layer w10: X1.1 9391.08,5546.07 9408.97,5563.97 R22.2 C29.2
XTALB: C30.2 R22.1 U6.6 X1.2 | length 1340.1
  Top Layer w7.99: v1@8975,5560 8975,5733.71 9150.21,5908.92 v1(9391.08,5908.92)
  Bottom Layer w7.99: U6.6 8965,5584.84 8974.84,5575 v1(8974.84,5560) ; X1.2 v1(9391.08,5908.92)
  Bottom Layer w10: X1.2 9391.08,5627.76 9408.74,5610.09 9616.71,5610.09 ; R22.1 9616.71,5610.09 ; C30.2@9616.71,5661.03 9616.71,5610.09
XTALC: C19.2 U6.3 X2.1 | length 258.6
  Bottom Layer w7.99: U6.3@8927.48,5643.9 8973.96,5643.9 9017.45,5687.39 C19.2
XTALD: C20.2 U6.4 X2.2 | length 255.2
  Bottom Layer w7.99: U6.4@8927.48,5624.21 8927.68,5624.01 8975.99,5624.01 9011.03,5588.97 X2.2 C20.2
pads on no net: P1.0 P3.3 P3.4 STLINK1.4 STLINK1.6 STLINK1.9 STLINK1.10 U1.2 U2.2 U2.14 U5.7 U6.11 U6.12 U6.13 U6.14 U6.15 U6.16 U6.17 U6.29 U6.38 U6.39 U6.40 U6.41 U10.8 USB1.A8 USB1.B8 USB1.P2 USB1.P3 USB1.P4

## Polygon pours and split planes (outlines as drawn)
"0V (ISO)" on (GND) (split plane): 4614.9,1020.1 1020.1,1020.1 1020.1,3309.9 4614.9,3309.9
"5V (ISO)" on (PWR) (split plane): 4614.9,1020.1 1020.1,1020.1 1020.1,3309.9 4614.9,3309.9

## Other copper
(PWR) (plane layer: these items are gaps in the copper):
  lines w10: 8913.98,6260 8913.98,5765 8555,5765 8555,5420 8305,5420 8305,5240 8730,5240 9080,5240 9080,4890